# KiCad board digital_board_v1.kicad_pcb (continued)
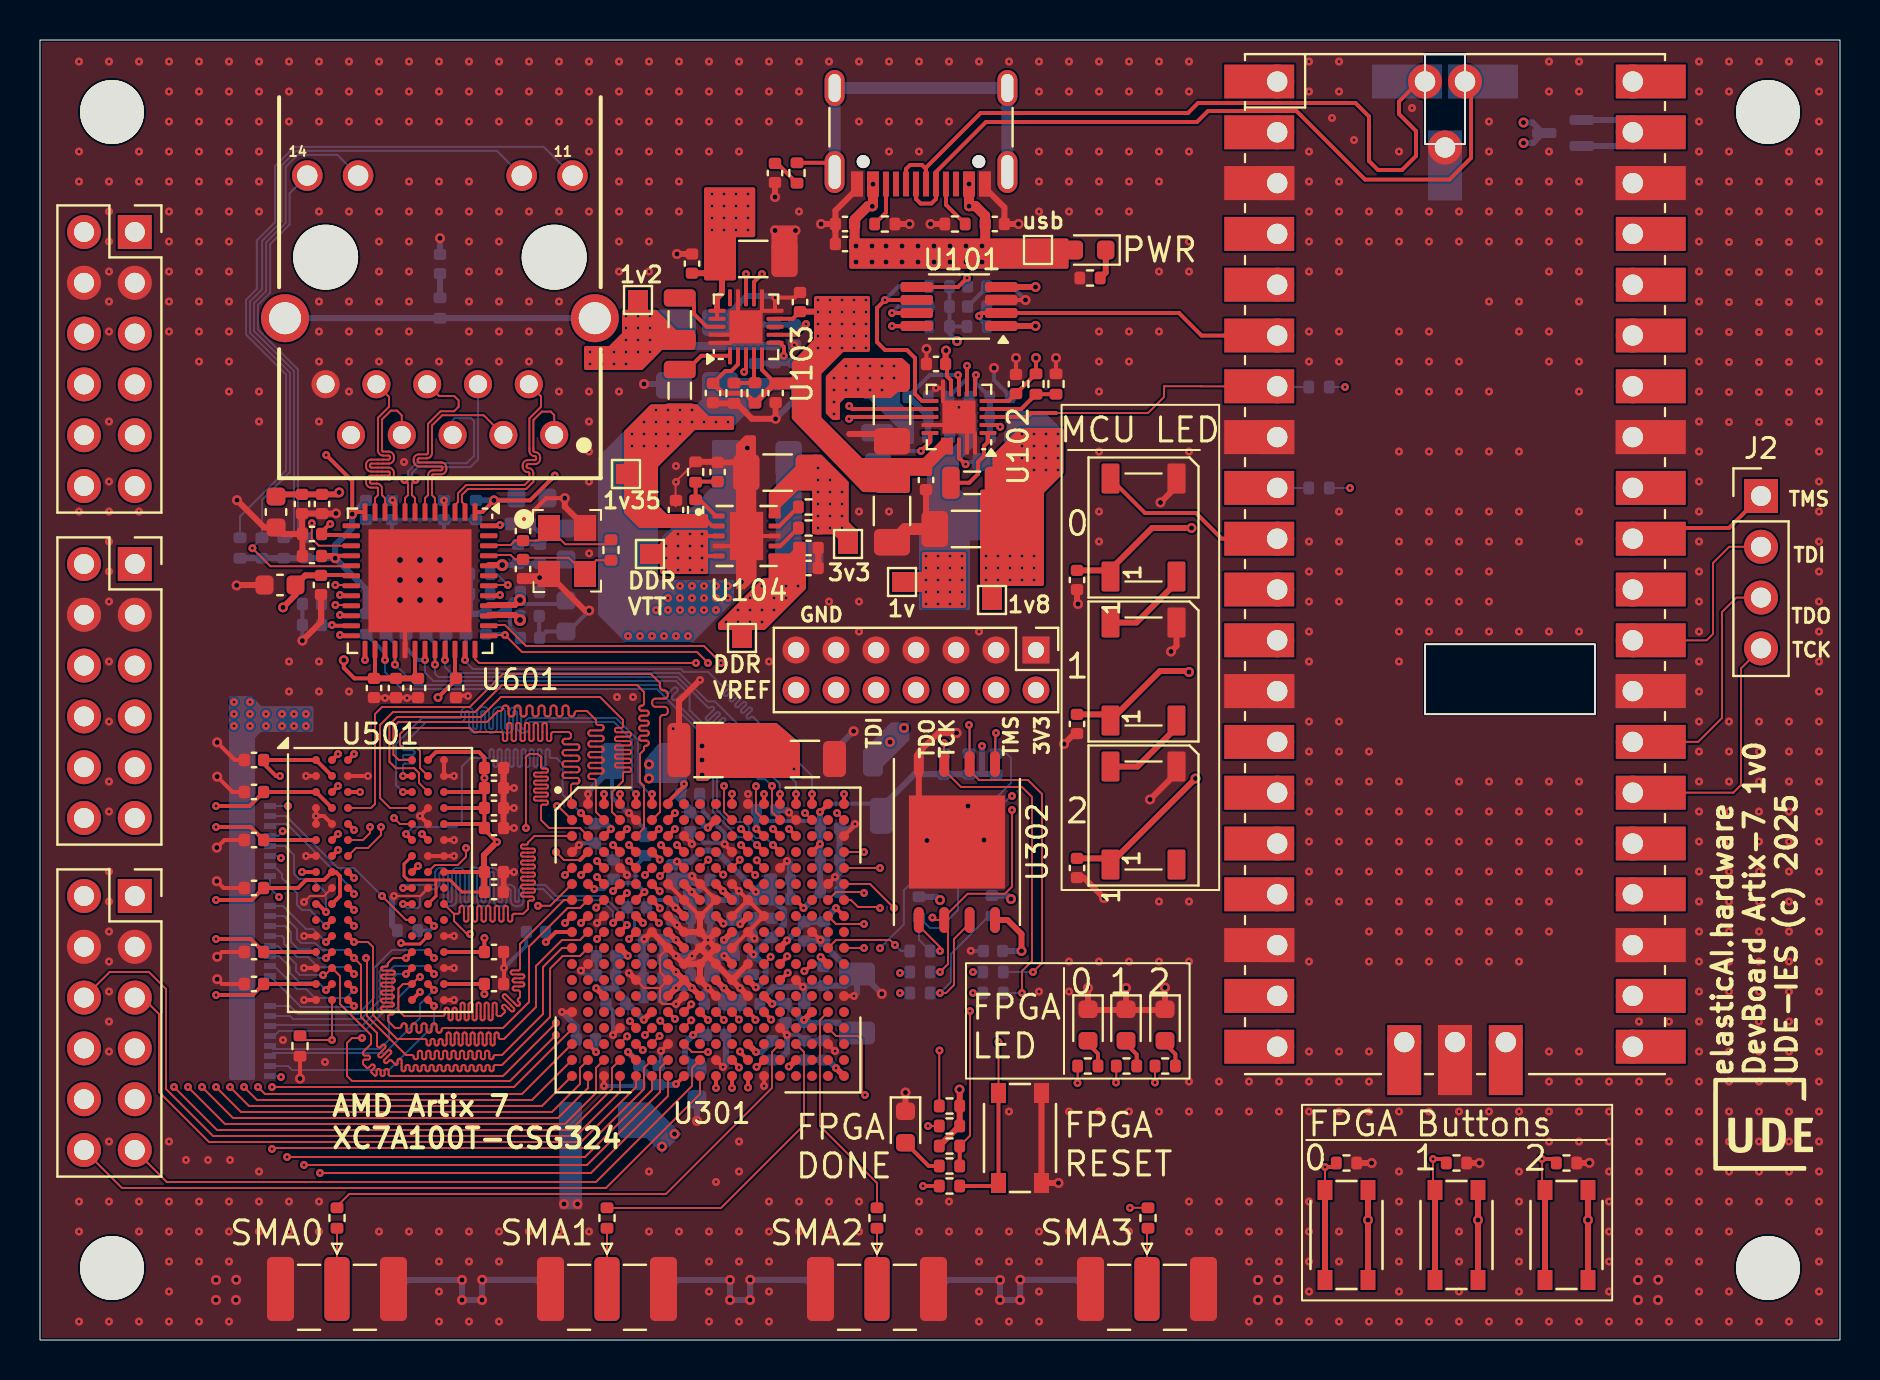
[diagram p0: board, top side]
## Routing (per net, layer and track width the routed paths; a pad name or vN(x,y) marks a point on that pad's centre or on a via; arc(x,y) is an arc through that point) (continued)
DDR3_DQ10: length 30
  F.Cu (signal) w0.1: U301.B4 28.6,26.4 28.6,27.39 29.15,27.94 29.15,28.32 arc(29.18,28.38) 29.24,28.41 29.46,28.41 arc(29.52,28.43) 29.55,28.49 29.55,28.54 arc(29.52,28.6) 29.46,28.63 28.84,28.63 arc(28.78,28.65) 28.75,28.71 28.75,28.76 arc(28.78,28.82) 28.84,28.85 29.46,28.85 arc(29.52,28.87) 29.55,28.93 29.55,28.98 arc(29.52,29.04) 29.46,29.07 28.84,29.07 arc(28.78,29.09) 28.75,29.15 28.75,29.2 arc(28.78,29.26) 28.84,29.29 29.46,29.29 arc(29.52,29.31) 29.55,29.37 29.55,29.42 arc(29.52,29.48) 29.46,29.51 28.84,29.51 arc(28.78,29.53) 28.75,29.59 28.75,29.64 arc(28.78,29.7) 28.84,29.73 29.46,29.73 arc(29.52,29.75) 29.55,29.81 29.55,29.86 arc(29.52,29.92) 29.46,29.95 28.84,29.95 arc(28.78,29.97) 28.75,30.03 28.75,30.08 arc(28.78,30.14) 28.84,30.17 29.46,30.17 arc(29.52,30.19) 29.55,30.25 29.55,30.3 arc(29.52,30.36) 29.46,30.39 28.84,30.39 arc(28.78,30.41) 28.75,30.47 28.75,30.52 arc(28.78,30.58) 28.84,30.61 29.06,30.61 arc(29.12,30.63) 29.15,30.69 29.15,31 28,32.15 23.05,32.15 22.05,31.15 17.85,31.15 17.47,30.77 17.47,28.91 17.79,28.59 18.71,28.59 18.95,28.35 18.95,27.85 U501.C8
DDR3_DQ11: length 26.9
  F.Cu (signal) w0.2: U301.B7 v1(31.75,26.35) ; U501.C2 v1(14.9,27.7)
  In2.Cu (signal) w0.1: v1(31.75,26.35) 31.75,29.78 31.15,30.37 arc(31.12,30.44) 31.15,30.51 31.19,30.55 arc(31.22,30.62) 31.19,30.69 31.15,30.73 arc(31.08,30.76) 31.01,30.73 30.83,30.55 arc(30.76,30.52) 30.69,30.55 30.66,30.58 arc(30.63,30.66) 30.66,30.73 30.83,30.9 arc(30.86,30.97) 30.83,31.04 30.8,31.08 arc(30.73,31.11) 30.66,31.08 30.48,30.9 arc(30.41,30.87) 30.34,30.9 30.3,30.94 arc(30.27,31.01) 30.3,31.08 30.48,31.26 arc(30.51,31.33) 30.48,31.4 30.45,31.43 arc(30.37,31.46) 30.3,31.43 30.27,31.4 arc(30.2,31.37) 30.13,31.4 29.97,31.55 16.1,31.55 15.35,30.8 15.35,28.15 v1(14.9,27.7)
DDR3_DQ12: length 30
  F.Cu (signal) w0.1: U501.A7 17.94,29 17.67,29.27 17.67,30.65 17.92,30.9 22.35,30.9 22.9,31.45 23.01,31.45 arc(23.09,31.49) 23.13,31.57 23.13,31.6 arc(23.16,31.69) 23.25,31.72 23.31,31.72 arc(23.39,31.69) 23.43,31.6 23.43,31.3 arc(23.46,31.21) 23.55,31.18 23.61,31.18 arc(23.69,31.21) 23.73,31.3 23.73,31.6 arc(23.76,31.69) 23.85,31.72 23.91,31.72 arc(23.99,31.69) 24.03,31.6 24.03,31.3 arc(24.06,31.21) 24.15,31.18 24.21,31.18 arc(24.29,31.21) 24.33,31.3 24.33,31.6 arc(24.36,31.69) 24.45,31.72 24.51,31.72 arc(24.59,31.69) 24.63,31.6 24.63,31.3 arc(24.66,31.21) 24.75,31.18 24.81,31.18 arc(24.89,31.21) 24.93,31.3 24.93,31.6 arc(24.96,31.69) 25.05,31.72 25.11,31.72 arc(25.19,31.69) 25.23,31.6 25.23,31.3 arc(25.26,31.21) 25.35,31.18 25.41,31.18 arc(25.49,31.21) 25.53,31.3 25.53,31.6 arc(25.56,31.69) 25.65,31.72 25.71,31.72 arc(25.79,31.69) 25.83,31.6 25.83,31.3 arc(25.86,31.21) 25.95,31.18 26.01,31.18 arc(26.09,31.21) 26.13,31.3 26.13,31.6 arc(26.16,31.69) 26.25,31.72 26.31,31.72 arc(26.39,31.69) 26.43,31.6 26.43,31.3 arc(26.46,31.21) 26.55,31.18 26.61,31.18 arc(26.69,31.21) 26.73,31.3 26.73,31.33 arc(26.76,31.41) 26.85,31.45 27.35,31.45 27.8,31 27.8,30.86 arc(27.83,30.78) 27.91,30.75 28.07,30.75 arc(28.15,30.72) 28.18,30.64 28.18,30.59 arc(28.15,30.51) 28.07,30.48 27.53,30.48 arc(27.45,30.45) 27.42,30.37 27.42,30.32 arc(27.45,30.24) 27.53,30.21 28.07,30.21 arc(28.15,30.18) 28.18,30.1 28.18,30.05 arc(28.15,29.97) 28.07,29.94 27.53,29.94 arc(27.45,29.91) 27.42,29.83 27.42,29.78 arc(27.45,29.7) 27.53,29.67 28.07,29.67 arc(28.15,29.64) 28.18,29.56 28.18,29.51 arc(28.15,29.43) 28.07,29.4 27.53,29.4 arc(27.45,29.37) 27.42,29.29 27.42,29.24 arc(27.45,29.16) 27.53,29.13 28.07,29.13 arc(28.15,29.1) 28.18,29.02 28.18,28.97 arc(28.15,28.89) 28.07,28.86 27.53,28.86 arc(27.45,28.83) 27.42,28.75 27.42,28.7 arc(27.45,28.62) 27.53,28.59 28.07,28.59 arc(28.15,28.56) 28.18,28.48 28.18,28.43 arc(28.15,28.35) 28.07,28.32 27.53,28.32 arc(27.45,28.29) 27.42,28.21 27.42,28.16 arc(27.45,28.08) 27.53,28.05 27.69,28.05 arc(27.77,28.02) 27.8,27.94 27.8,26.4 U301.B3
DDR3_DQ13: length 27
  F.Cu (signal) w0.2: U301.C7 v1(31.75,25.55) ; U501.A2 v1(14.9,29.3)
  In2.Cu (signal) w0.1: v1(14.9,29.3) 14.9,31.15 15.5,31.75 31.2,31.75 32.14,30.81 32.14,30.72 arc(32.18,30.63) 32.27,30.59 32.4,30.59 arc(32.49,30.55) 32.53,30.46 32.53,30.4 arc(32.49,30.31) 32.4,30.27 32.27,30.27 arc(32.18,30.23) 32.14,30.14 32.14,29.8 32.6,29.34 32.6,26.4 v1(31.75,25.55)
DDR3_DQ14: length 30.3
  F.Cu (signal) w0.1: U301.A1 26.6,26.99 26.55,27.04 26.55,27.71 arc(26.58,27.79) 26.66,27.82 26.86,27.82 arc(26.94,27.86) 26.97,27.94 26.97,27.99 arc(26.94,28.07) 26.86,28.1 26.24,28.1 arc(26.16,28.14) 26.13,28.22 26.13,28.27 arc(26.16,28.35) 26.24,28.38 26.86,28.38 arc(26.94,28.42) 26.97,28.5 26.97,28.55 arc(26.94,28.63) 26.86,28.66 26.24,28.66 arc(26.16,28.7) 26.13,28.78 26.13,28.83 arc(26.16,28.91) 26.24,28.94 26.86,28.94 arc(26.94,28.98) 26.97,29.06 26.97,29.11 arc(26.94,29.19) 26.86,29.22 26.24,29.22 arc(26.16,29.26) 26.13,29.34 26.13,29.39 arc(26.16,29.47) 26.24,29.5 26.86,29.5 arc(26.94,29.54) 26.97,29.62 26.97,29.67 arc(26.94,29.75) 26.86,29.78 26.24,29.78 arc(26.16,29.82) 26.13,29.9 26.13,29.95 arc(26.16,30.03) 26.24,30.06 26.44,30.06 arc(26.52,30.1) 26.55,30.18 26.55,30.3 26.45,30.4 25.65,30.4 arc(25.59,30.37) 25.56,30.31 25.56,30.04 arc(25.54,29.97) 25.47,29.95 25.43,29.95 arc(25.37,29.97) 25.34,30.04 25.34,30.76 arc(25.32,30.83) 25.25,30.85 25.21,30.85 arc(25.15,30.83) 25.12,30.76 25.12,30.04 arc(25.1,29.97) 25.03,29.95 24.99,29.95 arc(24.93,29.97) 24.9,30.04 24.9,30.76 arc(24.88,30.83) 24.81,30.85 24.77,30.85 arc(24.71,30.83) 24.68,30.76 24.68,30.04 arc(24.66,29.97) 24.59,29.95 24.55,29.95 arc(24.49,29.97) 24.46,30.04 24.46,30.76 arc(24.44,30.83) 24.37,30.85 24.33,30.85 arc(24.27,30.83) 24.24,30.76 24.24,30.04 arc(24.22,29.97) 24.15,29.95 24.11,29.95 arc(24.05,29.97) 24.02,30.04 24.02,30.76 arc(24,30.83) 23.93,30.85 23.89,30.85 arc(23.83,30.83) 23.8,30.76 23.8,30.04 arc(23.78,29.97) 23.71,29.95 23.67,29.95 arc(23.61,29.97) 23.58,30.04 23.58,30.76 arc(23.56,30.83) 23.49,30.85 23.45,30.85 arc(23.39,30.83) 23.36,30.76 23.36,30.04 arc(23.34,29.97) 23.27,29.95 23.23,29.95 arc(23.17,29.97) 23.14,30.04 23.14,30.31 arc(23.12,30.37) 23.05,30.4 21.7,30.4 21.5,30.6 18.3,30.6 18,30.3 18,29.75 18.15,29.6 18.85,29.6 19,29.45 19,28.6 U501.B8
DDR3_DQ15: length 27.1
  F.Cu (signal) w0.2: U501.A3 v1(15.7,29.3) ; U301.D8 v1(31.85,24.75)
  In2.Cu (signal) w0.1: v1(15.7,29.3) 15.71,29.31 15.71,29.67 arc(15.73,29.73) 15.79,29.75 16.23,29.75 arc(16.29,29.77) 16.31,29.83 16.31,29.87 arc(16.29,29.93) 16.23,29.95 15.79,29.95 arc(15.73,29.97) 15.71,30.03 15.71,30.07 arc(15.73,30.13) 15.79,30.15 16.23,30.15 arc(16.29,30.17) 16.31,30.23 16.31,30.27 arc(16.29,30.33) 16.23,30.35 15.79,30.35 arc(15.73,30.37) 15.71,30.43 15.71,30.75 15.89,30.93 arc(15.94,30.95) 16,30.93 16.24,30.69 arc(16.3,30.67) 16.35,30.69 16.38,30.72 arc(16.41,30.78) 16.38,30.83 16.14,31.07 arc(16.12,31.13) 16.14,31.19 16.21,31.25 29.4,31.25 29.76,30.89 arc(29.77,30.85) 29.76,30.81 arc(29.74,30.77) 29.76,30.72 29.97,30.51 arc(30.02,30.49) 30.06,30.51 30.14,30.59 arc(30.19,30.61) 30.23,30.59 30.45,30.37 arc(30.47,30.33) 30.45,30.29 arc(30.43,30.24) 30.45,30.2 31.38,29.27 31.38,25.22 v1(31.85,24.75)
DDR3_DQS0_N: length 27.1
  F.Cu (signal) w0.1: v1(17.05,25.65) 17.05,25.25 16.4,24.6 15.8,24.6 U501.G3
  F.Cu (signal) w0.2: U301.A3 v1(28.2,27.3)
  In2.Cu (signal) w0.1: v1(28.2,27.3) 28.5,27.6 28.5,29.89 27.94,30.45 22.5,30.45 22.1,30.05 21.62,30.05 arc(21.44,30.13) 21.36,30.31 21.36,30.41 arc(21.34,30.45) 21.3,30.47 21.22,30.47 arc(21.18,30.45) 21.16,30.41 21.16,29.89 arc(21.08,29.71) 20.9,29.63 20.82,29.63 arc(20.64,29.71) 20.56,29.89 20.56,30.41 arc(20.54,30.45) 20.5,30.47 20.42,30.47 arc(20.38,30.45) 20.36,30.41 20.36,29.89 arc(20.28,29.71) 20.1,29.63 20.02,29.63 arc(19.84,29.71) 19.76,29.89 19.76,30.41 arc(19.74,30.45) 19.7,30.47 19.62,30.47 arc(19.58,30.45) 19.56,30.41 19.56,29.89 arc(19.48,29.71) 19.3,29.63 19.22,29.63 arc(19.04,29.71) 18.96,29.89 18.96,30.41 arc(18.94,30.45) 18.9,30.47 18.82,30.47 arc(18.78,30.45) 18.76,30.41 18.76,29.89 arc(18.68,29.71) 18.5,29.63 18.42,29.63 arc(18.24,29.71) 18.16,29.89 18.16,29.99 arc(18.14,30.03) 18.1,30.05 17.9,30.05 17.74,29.89 17.74,26.92 16.88,26.05 16.88,25.82 v1(17.05,25.65)
DDR3_DQS0_P: length 27
  F.Cu (signal) w0.1: v1(16.5,25.65) 16.5,25.35 16.15,25 U501.F3
  F.Cu (signal) w0.2: U301.A4 v1(29,27.3)
  In2.Cu (signal) w0.1: v1(16.5,25.65) 16.68,25.82 16.68,26.14 17.54,27 17.54,29.99 17.8,30.25 18.1,30.25 arc(18.28,30.17) 18.36,29.99 18.36,29.89 arc(18.38,29.85) 18.42,29.83 18.5,29.83 arc(18.54,29.85) 18.56,29.89 18.56,30.41 arc(18.64,30.59) 18.82,30.67 18.9,30.67 arc(19.08,30.59) 19.16,30.41 19.16,29.89 arc(19.18,29.85) 19.22,29.83 19.3,29.83 arc(19.34,29.85) 19.36,29.89 19.36,30.41 arc(19.44,30.59) 19.62,30.67 19.7,30.67 arc(19.88,30.59) 19.96,30.41 19.96,29.89 arc(19.98,29.85) 20.02,29.83 20.1,29.83 arc(20.14,29.85) 20.16,29.89 20.16,30.41 arc(20.24,30.59) 20.42,30.67 20.5,30.67 arc(20.68,30.59) 20.76,30.41 20.76,29.89 arc(20.78,29.85) 20.82,29.83 20.9,29.83 arc(20.94,29.85) 20.96,29.89 20.96,30.41 arc(21.04,30.59) 21.22,30.67 21.3,30.67 arc(21.48,30.59) 21.56,30.41 21.56,30.31 arc(21.58,30.27) 21.62,30.25 22.02,30.25 22.42,30.65 28.03,30.65 28.7,29.98 28.7,27.6 v1(29,27.3) 28.85,27.3
DDR3_DQS1_N: length 26.9
  F.Cu (signal) w0.2: U301.A5 v1(29.8,27.3) ; U501.B7 v1(18.15,28.2)
  B.Cu (signal) w0.1: v1(18.15,28.2) 18.15,28.74 arc(18.18,28.8) 18.24,28.82 18.64,28.82 arc(18.71,28.85) 18.73,28.91 18.73,28.96 arc(18.71,29.02) 18.64,29.04 18.24,29.04 arc(18.18,29.07) 18.15,29.13 18.15,29.18 arc(18.18,29.24) 18.24,29.26 18.64,29.26 arc(18.71,29.29) 18.73,29.35 18.73,29.4 arc(18.71,29.46) 18.64,29.48 18.24,29.48 arc(18.18,29.51) 18.15,29.57 18.15,29.75 19.3,30.9 21,30.9 arc(21.18,30.98) 21.26,31.16 21.26,31.38 arc(21.28,31.42) 21.32,31.44 21.4,31.44 arc(21.44,31.42) 21.46,31.38 21.46,30.62 arc(21.54,30.44) 21.72,30.36 21.8,30.36 arc(21.98,30.44) 22.06,30.62 22.06,31.38 arc(22.08,31.42) 22.12,31.44 22.2,31.44 arc(22.24,31.42) 22.26,31.38 22.26,30.62 arc(22.34,30.44) 22.52,30.36 22.6,30.36 arc(22.78,30.44) 22.86,30.62 22.86,31.38 arc(22.88,31.42) 22.92,31.44 23,31.44 arc(23.04,31.42) 23.06,31.38 23.06,30.62 arc(23.14,30.44) 23.32,30.36 23.4,30.36 arc(23.58,30.44) 23.66,30.62 23.66,31.38 arc(23.68,31.42) 23.72,31.44 23.8,31.44 arc(23.84,31.42) 23.86,31.38 23.86,30.62 arc(23.94,30.44) 24.12,30.36 24.2,30.36 arc(24.38,30.44) 24.46,30.62 24.46,30.84 arc(24.48,30.88) 24.52,30.9 28.7,30.9 29.6,30 29.6,27.5 v1(29.8,27.3)
DDR3_DQS1_P: length 27
  F.Cu (signal) w0.2: U501.C7 v1(18.15,27.4) ; U301.A6 v1(30.6,27.3)
  B.Cu (signal) w0.1: v1(18.15,27.4) 17.8,27.75 17.8,29.8 19.1,31.1 21,31.1 arc(21.04,31.12) 21.06,31.16 21.06,31.38 arc(21.14,31.56) 21.32,31.64 21.4,31.64 arc(21.58,31.56) 21.66,31.38 21.66,30.62 arc(21.68,30.58) 21.72,30.56 21.8,30.56 arc(21.84,30.58) 21.86,30.62 21.86,31.38 arc(21.94,31.56) 22.12,31.64 22.2,31.64 arc(22.38,31.56) 22.46,31.38 22.46,30.62 arc(22.48,30.58) 22.52,30.56 22.6,30.56 arc(22.64,30.58) 22.66,30.62 22.66,31.38 arc(22.74,31.56) 22.92,31.64 23,31.64 arc(23.18,31.56) 23.26,31.38 23.26,30.62 arc(23.28,30.58) 23.32,30.56 23.4,30.56 arc(23.44,30.58) 23.46,30.62 23.46,31.38 arc(23.54,31.56) 23.72,31.64 23.8,31.64 arc(23.98,31.56) 24.06,31.38 24.06,30.62 arc(24.08,30.58) 24.12,30.56 24.2,30.56 arc(24.24,30.58) 24.26,30.62 24.26,30.84 arc(24.34,31.02) 24.52,31.1 28.8,31.1 29.9,30 29.9,27.9 30.5,27.3 v1(30.6,27.3)
DDR3_ODT: length 32.3
  F.Cu (signal) w0.2: U501.K1 13.9,21.8 v1(14.3,21.4) ; U301.H1 v1(26.25,20.85)
  In2.Cu (signal) w0.1: v1(26.25,20.85) 25.94,20.54 25.94,20.26 arc(25.92,20.2) 25.86,20.18 25.76,20.18 arc(25.7,20.16) 25.68,20.1 25.68,20.06 arc(25.7,20) 25.76,19.98 26.12,19.98 arc(26.18,19.96) 26.2,19.9 26.2,19.86 arc(26.18,19.8) 26.12,19.78 25.76,19.78 arc(25.7,19.76) 25.68,19.7 25.68,19.66 arc(25.7,19.6) 25.76,19.58 26.12,19.58 arc(26.18,19.56) 26.2,19.5 26.2,19.46 arc(26.18,19.4) 26.12,19.38 25.76,19.38 arc(25.7,19.36) 25.68,19.3 25.68,19.26 arc(25.7,19.2) 25.76,19.18 26.12,19.18 arc(26.18,19.16) 26.2,19.1 26.2,19.06 arc(26.18,19) 26.12,18.98 25.76,18.98 arc(25.7,18.96) 25.68,18.9 25.68,18.86 arc(25.7,18.8) 25.76,18.78 25.86,18.78 arc(25.92,18.76) 25.94,18.7 25.94,18.64 25.7,18.4 25.7,17.15 25.3,16.75 arc(25.28,16.69) 25.3,16.64 25.34,16.59 arc(25.37,16.54) 25.34,16.48 25.31,16.45 arc(25.26,16.43) 25.2,16.45 25.16,16.5 arc(25.1,16.52) 25.05,16.5 25.02,16.47 arc(24.99,16.41) 25.02,16.35 25.06,16.31 arc(25.08,16.26) 25.06,16.2 25.03,16.17 arc(24.97,16.15) 24.92,16.17 24.88,16.21 arc(24.82,16.24) 24.76,16.21 24.73,16.18 arc(24.71,16.13) 24.73,16.07 24.78,16.03 arc(24.8,15.97) 24.78,15.92 24.75,15.89 arc(24.69,15.86) 24.64,15.89 24.59,15.93 arc(24.54,15.95) 24.48,15.93 24.45,15.9 arc(24.43,15.84) 24.45,15.79 24.49,15.75 arc(24.52,15.69) 24.49,15.63 24.47,15.6 arc(24.41,15.58) 24.35,15.6 24.15,15.8 arc(24.1,15.83) 24.04,15.8 24.01,15.77 arc(23.99,15.72) 24.01,15.66 24.21,15.46 arc(24.23,15.41) 24.21,15.35 24.18,15.32 arc(24.13,15.3) 24.07,15.32 24.03,15.36 arc(23.97,15.39) 23.91,15.36 23.7,15.15 18.9,15.15 17.05,17 17.05,20.55 16.55,21.05 14.65,21.05 v1(14.3,21.4)
  B.Cu (signal) w0.1: v1(14.3,21.4) 14.3,22.35 13.6,23.05 12.95,23.05 12.7,23.3 12.7,24.25 12.25,24.7 R502.13
DDR3_RAS: length 32.6
  F.Cu (signal) w0.1: U501.J3 v1(15.7,22.3)
  F.Cu (signal) w0.2: U301.F4 v1(28.65,22.45)
  In2.Cu (signal) w0.1: v1(28.65,22.45) 28.35,22.15 26.35,22.15 24.5,20.3 24.5,19.45 arc(24.48,19.39) 24.42,19.37 24.32,19.37 arc(24.26,19.34) 24.24,19.28 24.24,19.24 arc(24.26,19.18) 24.32,19.16 24.68,19.16 arc(24.74,19.13) 24.76,19.07 24.76,19.03 arc(24.74,18.97) 24.68,18.95 24.32,18.95 arc(24.26,18.92) 24.24,18.86 24.24,18.82 arc(24.26,18.76) 24.32,18.74 24.68,18.74 arc(24.74,18.71) 24.76,18.65 24.76,18.61 arc(24.74,18.55) 24.68,18.53 24.32,18.53 arc(24.26,18.5) 24.24,18.44 24.24,18.4 arc(24.26,18.34) 24.32,18.32 24.68,18.32 arc(24.74,18.29) 24.76,18.23 24.76,18.19 arc(24.74,18.13) 24.68,18.11 24.32,18.11 arc(24.26,18.08) 24.24,18.02 24.24,17.98 arc(24.26,17.92) 24.32,17.9 24.68,17.9 arc(24.74,17.87) 24.76,17.81 24.76,17.77 arc(24.74,17.71) 24.68,17.69 24.58,17.69 arc(24.52,17.66) 24.5,17.6 24.5,17.35 24.32,17.17 arc(24.26,17.14) 24.2,17.17 24.13,17.23 arc(24.07,17.26) 24.01,17.23 23.98,17.2 arc(23.96,17.14) 23.98,17.08 24.05,17.02 arc(24.07,16.96) 24.05,16.9 22.95,15.8 19.35,15.8 17.65,17.5 17.65,20.8 16.45,22 16,22 v1(15.7,22.3)
  B.Cu (signal) w0.1: v1(15.7,22.3) 15.7,22.45 12.35,25.8 11.6,25.8 R502.11
DDR3_RESET: length 28.8
  F.Cu (signal) w0.1: v1(14.6,15) 13.21,15 R504.1 ; v1(14.6,15) 14.69,15 ; v1(14.6,15) U501.T2
  F.Cu (signal) w0.2: U301.F6 30.96,22.44 v1(30.99,22.44)
  In2.Cu (signal) w0.1: 30.95,22.4 30.95,22.4 v1(30.99,22.44) 30.99,22.41 31.4,22 31.4,21.35 31.5,21.25 31.5,20.4 31.4,20.3 31.4,18.62 25.28,12.5 17.1,12.5 v1(14.6,15)
DDR3_WE: length 33.4
  F.Cu (signal) w0.2: U301.G4 v1(29.35,22.35) ; U501.L3 v1(15.7,20.7)
  In2.Cu (signal) w0.1: v1(15.7,20.7) 16.53,20.7 16.75,20.48 16.75,16.85 18.85,14.75 24,14.75 24.12,14.87 arc(24.17,14.89) 24.23,14.87 24.4,14.7 arc(24.46,14.67) 24.51,14.7 24.54,14.72 arc(24.56,14.78) 24.54,14.84 24.37,15.01 arc(24.35,15.06) 24.37,15.12 24.4,15.15 arc(24.46,15.17) 24.51,15.15 24.68,14.98 arc(24.74,14.96) 24.79,14.98 24.82,15.01 arc(24.85,15.06) 24.82,15.12 24.65,15.29 arc(24.63,15.35) 24.65,15.4 24.68,15.43 arc(24.74,15.46) 24.79,15.43 24.96,15.26 arc(25.02,15.24) 25.08,15.26 25.11,15.29 arc(25.13,15.35) 25.11,15.4 24.94,15.57 arc(24.91,15.63) 24.94,15.69 24.96,15.71 arc(25.02,15.74) 25.08,15.71 25.25,15.54 arc(25.3,15.52) 25.36,15.54 25.39,15.57 arc(25.41,15.63) 25.39,15.69 25.22,15.86 arc(25.2,15.91) 25.22,15.97 25.65,16.4 25.65,16.65 25.99,16.99 25.99,18.4 26.6,19.01 26.6,20.93 26.94,21.27 28.27,21.27 v1(29.35,22.35)
  In5.Cu (signal) w0.1: v1(12.05,24.1) 12.45,23.7 12.45,23.15 13.25,22.35 13.5,22.35 13.95,21.9 13.95,21.25 14.15,21.05 15.35,21.05 v1(15.7,20.7)
  B.Cu (signal) w0.1: v1(12.05,24.1) 11.95,24.2 R502.14
EN_1V2: length 50.2
  F.Cu (signal) w0.2: v1(35.3,53.3) U103.13
  In5.Cu (signal) w0.2: U11.32 70.75,51.5 48.1,51.5 47.8,51.8 45.5,51.8 44.55,52.75 35.45,52.75 35.3,52.9 v1(35.3,53.3)
EN_1V35: length 48.4
  F.Cu (signal) w0.2: v1(36.1,53.3) 35.7,52.9 U103.12
  In5.Cu (signal) w0.2: U11.34 74.12,53.2 66.9,53.2 66.1,54 49.2,54 47.8,52.6 45.65,52.6 45.05,53.2 36.2,53.2 v1(36.1,53.3)
ETH_INT_N: length 27.7
  F.Cu (signal) w0.1: U301.B16 v1(38.25,26.35) ; v1(34.05,33.85) 33.2,34.7 24.3,34.7 23.25,35.75 22.44,35.75
  In2.Cu (signal) w0.1: v1(38.25,26.35) 38.98,27.08 38.98,28.92 36.04,31.86 arc(35.99,31.88) 35.93,31.86 35.87,31.8 arc(35.81,31.77) 35.76,31.8 35.73,31.83 arc(35.7,31.88) 35.73,31.94 35.96,32.17 arc(35.99,32.23) 35.96,32.29 35.93,32.31 arc(35.88,32.34) 35.82,32.31 35.59,32.08 arc(35.53,32.06) 35.47,32.08 35.45,32.11 arc(35.42,32.16) 35.45,32.22 35.68,32.45 arc(35.7,32.51) 35.68,32.57 35.65,32.6 arc(35.59,32.62) 35.54,32.6 35.3,32.36 arc(35.25,32.34) 35.19,32.36 35.16,32.39 arc(35.14,32.45) 35.16,32.5 35.4,32.74 arc(35.42,32.79) 35.4,32.85 35.37,32.88 arc(35.31,32.9) 35.25,32.88 35.02,32.65 arc(34.96,32.62) 34.91,32.65 34.88,32.67 arc(34.86,32.73) 34.88,32.79 35.11,33.02 arc(35.14,33.08) 35.11,33.13 35.08,33.16 arc(35.03,33.19) 34.97,33.16 34.74,32.93 arc(34.68,32.9) 34.63,32.93 34.6,32.96 arc(34.57,33.01) 34.6,33.07 34.83,33.3 arc(34.85,33.36) 34.83,33.42 34.8,33.44 arc(34.75,33.47) 34.69,33.44 34.46,33.21 arc(34.4,33.19) 34.34,33.21 34.31,33.24 arc(34.29,33.3) 34.31,33.35 34.55,33.59 arc(34.57,33.64) 34.55,33.7 34.52,33.73 arc(34.46,33.75) 34.41,33.73 34.35,33.67 arc(34.29,33.64) 34.23,33.67 v1(34.05,33.85)
ETH_MDC: length 27.7
  F.Cu (signal) w0.1: 21.75,34.56 21.75,34.05 21.95,33.85 v1(32.8,33.85)
  F.Cu (signal) w0.2: U301.C14 v1(36.65,25.55)
  In2.Cu (signal) w0.1: v1(32.8,33.85) 33.63,33.02 arc(33.65,32.96) 33.63,32.91 33.42,32.7 arc(33.4,32.64) 33.42,32.59 33.45,32.56 arc(33.51,32.53) 33.56,32.56 33.91,32.91 arc(33.97,32.93) 34.03,32.91 34.05,32.88 arc(34.08,32.82) 34.05,32.77 33.71,32.42 arc(33.68,32.36) 33.71,32.31 33.74,32.28 arc(33.79,32.26) 33.85,32.28 34.19,32.62 arc(34.25,32.65) 34.31,32.62 34.34,32.6 arc(34.36,32.54) 34.34,32.48 34,32.14 arc(33.97,32.09) 34,32.03 34.03,32 arc(34.08,31.98) 34.14,32 34.48,32.34 arc(34.53,32.37) 34.59,32.34 34.62,32.31 arc(34.64,32.26) 34.62,32.2 34.29,31.88 arc(34.27,31.82) 34.29,31.76 34.32,31.73 arc(34.38,31.71) 34.44,31.73 34.76,32.06 arc(34.82,32.08) 34.87,32.06 34.9,32.03 arc(34.93,31.97) 34.9,31.92 34.63,31.65 arc(34.61,31.59) 34.63,31.54 34.66,31.51 arc(34.72,31.49) 34.78,31.51 34.9,31.63 arc(34.96,31.66) 35.02,31.63 37.35,29.3 37.35,27.16 37.1,26.91 37.1,26.25 36.65,25.8 v1(36.65,25.55)
ETH_MDIO: length 28.7
  F.Cu (signal) w0.1: 22.44,35.25 v1(23.25,35.25) 24.1,34.4 32.85,34.4 v1(33.4,33.85)
  F.Cu (signal) w0.2: U301.C15 v1(37.45,25.55)
  In2.Cu (signal) w0.1: v1(33.4,33.85) 35.82,31.43 arc(35.87,31.41) 35.93,31.43 35.99,31.49 arc(36.04,31.51) 36.1,31.49 36.13,31.46 arc(36.15,31.41) 36.13,31.35 35.93,31.15 arc(35.91,31.09) 35.93,31.04 35.96,31.01 arc(36.01,30.99) 36.07,31.01 36.27,31.21 arc(36.33,31.23) 36.38,31.21 36.41,31.18 arc(36.43,31.12) 36.41,31.07 36.21,30.87 arc(36.19,30.81) 36.21,30.75 36.24,30.73 arc(36.3,30.7) 36.35,30.73 36.55,30.92 arc(36.61,30.95) 36.66,30.92 36.69,30.9 arc(36.72,30.84) 36.69,30.78 36.5,30.58 arc(36.47,30.53) 36.5,30.47 36.52,30.44 arc(36.58,30.42) 36.64,30.44 36.83,30.64 arc(36.89,30.66) 36.95,30.64 36.98,30.61 arc(37,30.56) 36.98,30.5 36.78,30.3 arc(36.75,30.25) 36.78,30.19 36.81,30.16 arc(36.86,30.14) 36.92,30.16 37.12,30.36 arc(37.17,30.38) 37.23,30.36 37.26,30.33 arc(37.28,30.27) 37.26,30.22 37.06,30.02 arc(37.04,29.96) 37.06,29.91 37.09,29.88 arc(37.15,29.85) 37.2,29.88 37.4,30.07 arc(37.45,30.09) 37.51,30.07 37.54,30.04 arc(37.56,29.99) 37.54,29.93 37.34,29.74 arc(37.32,29.68) 37.34,29.62 37.37,29.6 arc(37.43,29.57) 37.49,29.6 37.67,29.78 arc(37.73,29.81) 37.79,29.78 37.81,29.75 arc(37.84,29.7) 37.81,29.64 37.61,29.44 arc(37.59,29.38) 37.61,29.32 37.64,29.29 arc(37.69,29.27) 37.75,29.29 37.8,29.34 arc(37.85,29.36) 37.91,29.34 38.15,29.1 38.15,27.16 37.8,26.81 37.8,26.15 37.45,25.8 v1(37.45,25.55)
  B.Cu (signal) w0.2: R615.1 23.21,35.29 v1(23.25,35.25)
ETH_~{RESET}: length 28.8
  F.Cu (signal) w0.1: 22.44,37.75 v1(23.39,37.75)
  F.Cu (signal) w0.2: U301.A18 v1(40.2,27.3)
  In2.Cu (signal) w0.1: v1(40.2,27.3) 40.2,28.64 32.84,36 27.06,36 26.91,36.15 26.91,36.54 26.72,36.73 26.4,36.73 arc(26.35,36.75) 26.32,36.81 26.32,37.07 arc(26.3,37.13) 26.24,37.15 26.2,37.15 arc(26.15,37.13) 26.12,37.07 26.12,36.39 arc(26.1,36.33) 26.04,36.31 26,36.31 arc(25.95,36.33) 25.92,36.39 25.92,37.07 arc(25.9,37.13) 25.84,37.15 25.8,37.15 arc(25.75,37.13) 25.72,37.07 25.72,36.39 arc(25.7,36.33) 25.64,36.31 25.6,36.31 arc(25.55,36.33) 25.52,36.39 25.52,37.07 arc(25.5,37.13) 25.44,37.15 25.4,37.15 arc(25.35,37.13) 25.32,37.07 25.32,36.81 arc(25.3,36.75) 25.24,36.73 25.09,36.73 24.96,36.86 24.96,37.41 24.62,37.75 v1(23.39,37.75)
  B.Cu (signal) w0.1: R616.1 22.84,38.3 v1(23.39,37.75)
FPGA-MCU_GP8: length 29.7
  F.Cu (signal) w0.1: U301.E18 v1(42,23.6)
  In2.Cu (signal) w0.1: U11.11 61.86,37.36 59.15,34.65 59.15,31.3 51.2,23.35 42.25,23.35 v1(42,23.6)
FPGA-MCU_GP9: length 29
  F.Cu (signal) w0.1: U301.D18 v1(41.2,24.4)
  In2.Cu (signal) w0.1: v1(41.2,24.4) 41.2,23.6 41.8,23 52.1,23 60,30.9 60,33.12 U11.12
FPGA-MCU_GP10: length 25.4
  F.Cu (signal) w0.1: U301.G18 40.55,22 40.9,21.65 41.95,21.65 v1(42,21.6)
  In2.Cu (signal) w0.1: v1(42,21.6) 42,21.75 42.95,22.7 53.15,22.7 60.35,29.91 U11.14
FPGA-MCU_GP11: length 24.6
  F.Cu (signal) w0.1: v1(42.7,21.6) 41.5,22.8 U301.F18
  In2.Cu (signal) w0.1: U11.15 59.22,27.37 53.4,21.55 42.75,21.55 v1(42.7,21.6)
FPGA-MCU_GP12: length 24.4
  F.Cu (signal) w0.1: v1(41.2,20.8) 39.8,20.8 U301.H17
  In2.Cu (signal) w0.1: U11.16 61.82,24.82 57.7,20.7 41.3,20.7 v1(41.2,20.8)
FPGA-MCU_GP13: length 26.3
  F.Cu (signal) w0.1: U301.G17 39.8,22.4 41.05,22.4 41.1,22.35 v1(41.2,22.35)
  In2.Cu (signal) w0.1: v1(41.2,22.35) 41.2,22.25 40.6,21.65 40.6,20.6 41,20.2 59.78,20.2 U11.17
MCU-F_DONE: length 37.4
  F.Cu (signal) w0.1: R401.2 46.5,10.22 v1(46.5,16.45) ; v1(34.19,16) 34.19,16.02 33.81,16.4 U301.P10
  F.Cu (signal) w0.2: 45.97,9.7 R401.2 R402.1
  In2.Cu (signal) w0.1: v1(46.5,16.45) 46.5,16.85 ; 46.5,16.85 61.5,16.85 U11.19 ; 46.5,16.85 40.3,16.85 39.95,17.2 35.39,17.2 v1(34.19,16)
MCU-F_INIT_B: length 34.5
  F.Cu (signal) w0.1: v1(44.97,14.47) 44.97,14.47 R403.2
  F.Cu (signal) w0.2: 31.49,16.4 U301.P7 v1(31.75,16.05)
  In2.Cu (signal) w0.1: v1(31.75,16.05) 31.75,16 32.15,15.6 32.95,15.6 33.65,14.9 36,14.9 36.4,14.5 39,14.5 39.38,14.88 40.12,14.88 40.52,14.47 v1(44.97,14.47) 61.67,14.47 U11.20
MCU-F_M0: length 46.1
  F.Cu (signal) w0.1: U301.P11 34.95,16.05 v1(34.95,16.02)
  In2.Cu (signal) w0.1: v1(34.95,16.02) 34.95,16.02 35.38,16.45 38.5,16.45 38.95,16 62.65,16 63.85,17.21 U11.22
MCU-F_M1: length 46.8
  F.Cu (signal) w0.1: U301.P13 36.2,16.38
  F.Cu (signal) w0.2: 36.2,16.38 v1(36.56,16.02)
  In5.Cu (signal) w0.1: U11.24 75.81,18.45 60.2,18.45 57.1,15.35 38.02,15.35 37.57,15.8 36.78,15.8 v1(36.56,16.02)
MCU-F_M2: length 48.4
  F.Cu (signal) w0.1: U301.P12 35.44,16.4
  F.Cu (signal) w0.2: v1(35.77,16) 35.8,16.03 35.8,16.04 35.44,16.4
  In5.Cu (signal) w0.1: U11.25 75.97,21.15 60.6,21.15 55.5,16.05 39.08,16.05 38.73,16.4 36.17,16.4 v1(35.77,16)
MCU-F_PROGRAM_B: length 57.9
  F.Cu (signal) w0.1: S401.4 v1(47.93,14.9)
  F.Cu (signal) w0.2: R404.2 47.78,7.7 S401.3 S401.4 ; U301.P9 v1(33.4,16)
  In2.Cu (signal) w0.1: U11.21 78.1,16.2 67.25,16.2 66.7,15.65 62.8,15.65 62.65,15.8 61.25,15.8 60.75,15.3 47.93,15.3 ; 47.93,15.3 38.05,15.3 37.65,15.7 37.1,15.7 36.85,15.45 33.95,15.45 v1(33.4,16) ; 47.93,15.3 v1(47.93,14.9)
MCU_GP0_SPI0-MISO: length 59
  F.Cu (signal) w0.1: v1(46.45,30.75) 46.47,30.75 46.49,30.74 46.49,28.47 46.95,28 49.4,28 50.1,27.3 50.1,18.85 v1(49.65,18.4)
  In2.Cu (signal) w0.1: U11.1 51.45,52.52 51.45,32.25 50.4,31.2 46.9,31.2 v1(46.45,30.75)
  B.Cu (signal) w0.1: v1(49.65,18.4) R302.1 ; v1(46.45,30.75) R319.2
MCU_GP1_SPI0-CSn: length 59.7
  F.Cu (signal) w0.1: U301.L13 36.53,19.13 v1(36.53,19.16) ; 47.75,28.94 47.75,29.94 47.76,29.95 47.76,30.31 v1(47.8,30.35)
  In2.Cu (signal) w0.1: U11.2 53.9,52.42 53.9,34 50.25,30.35 v1(47.8,30.35) ; v1(42,19.59) 41.59,20 40.11,20 39.61,20.5 38.37,20.5 37.46,19.59 36.96,19.59 v1(36.53,19.16)
  B.Cu (signal) w0.1: v1(47.8,30.35) R320.2 48.34,29.31 48.55,29.1 48.55,27.85 47.08,26.38 47.08,26.37 43.19,22.48 43.19,20.78 v1(42,19.59)
